# Altium PCB vga_ps2.PcbDoc
Units mil, origin at the board's own origin, x right, y up, seen from the top; angles counter-clockwise.
Board outline 1610 x 1725 mil, 2 copper layers (Top Layer, Bottom Layer); 104 components, 22 nets, 360 pads, 40 vias.
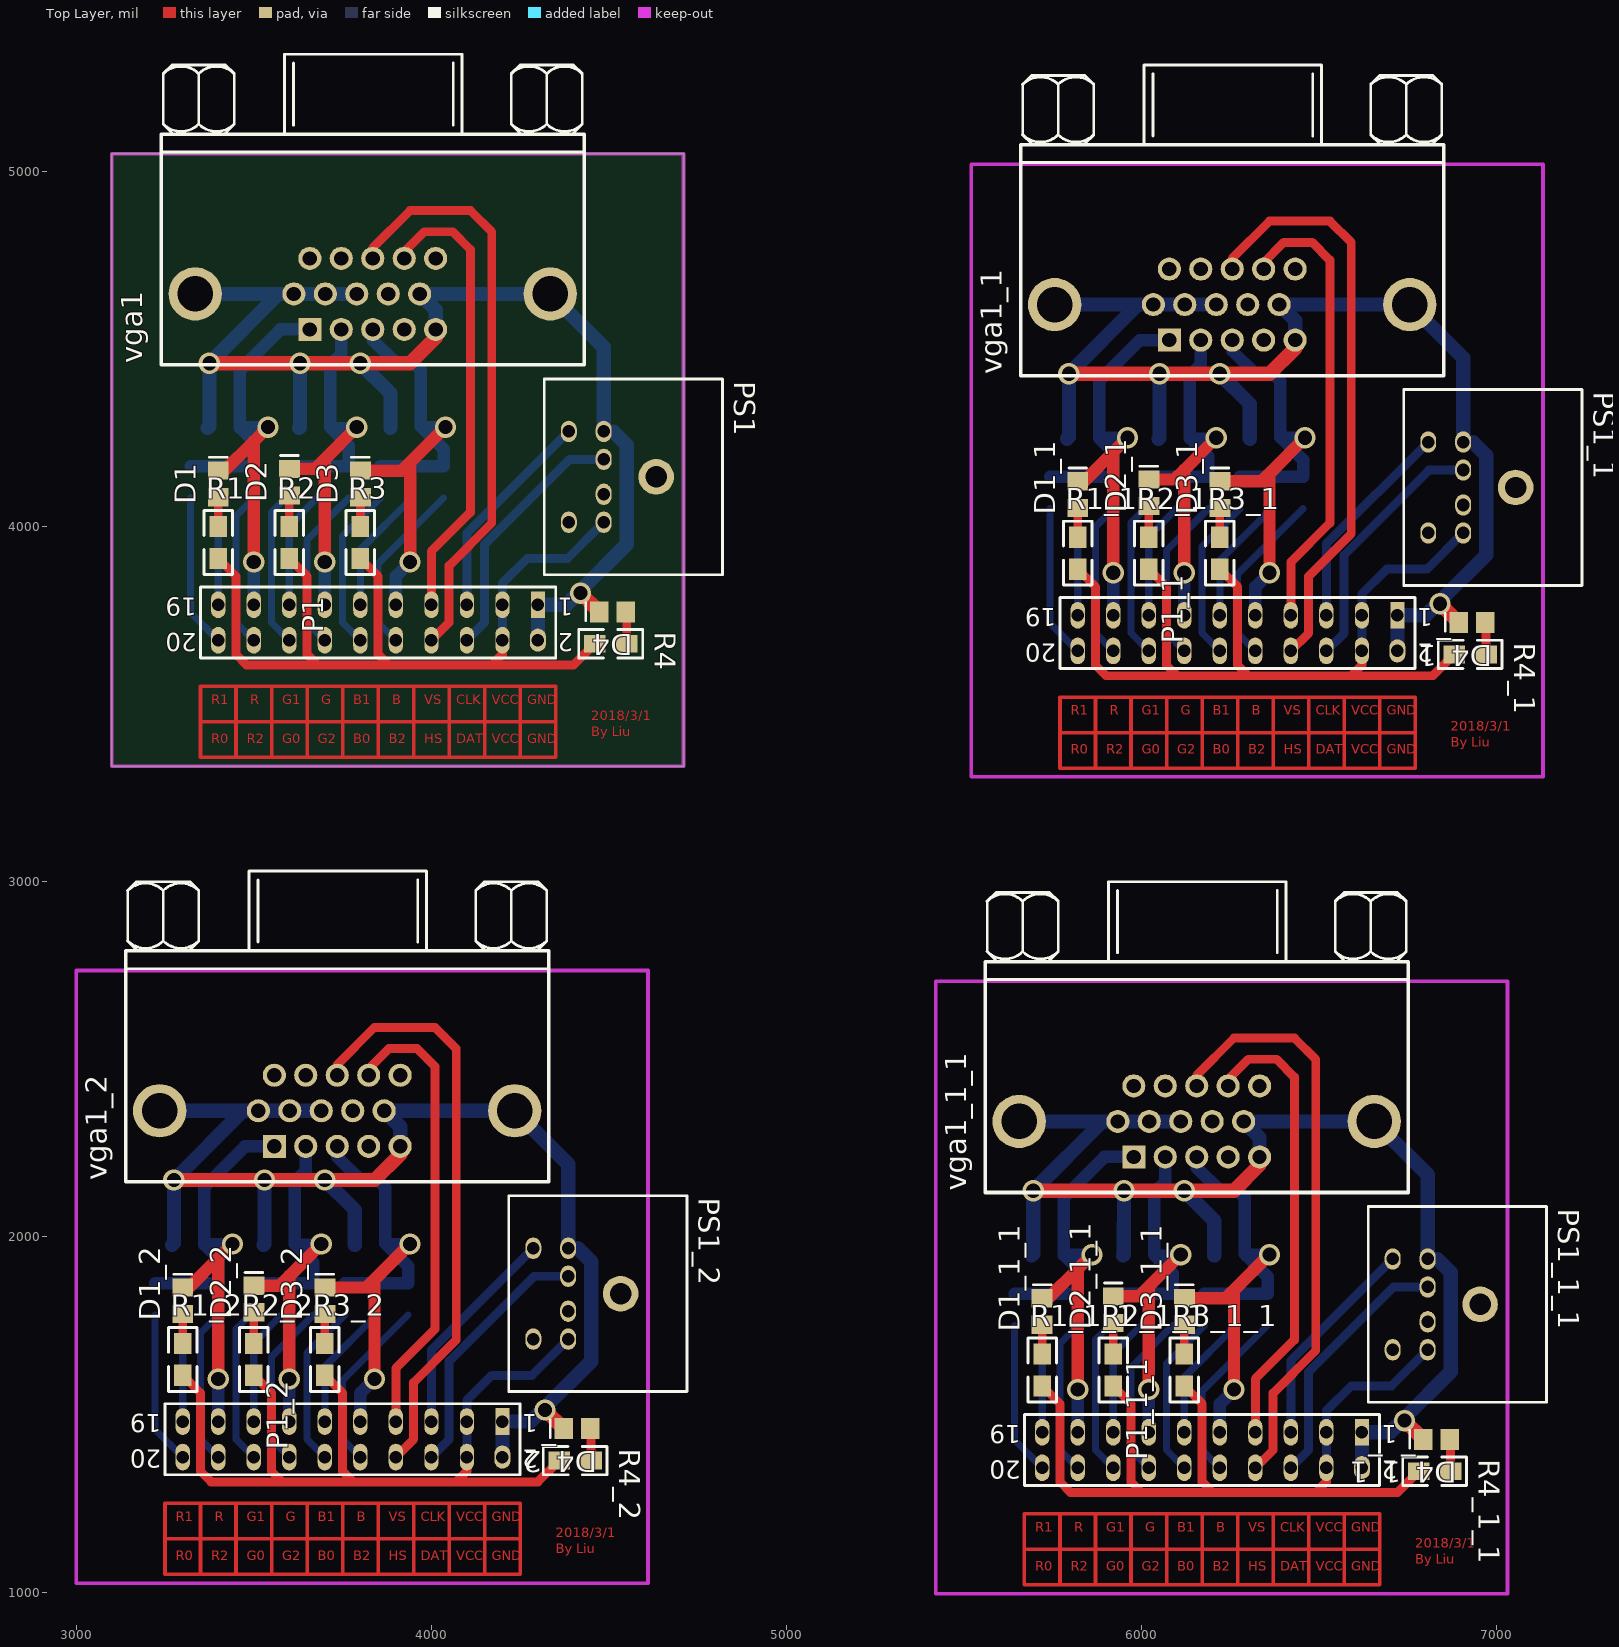
[diagram p0: Top Layer view]
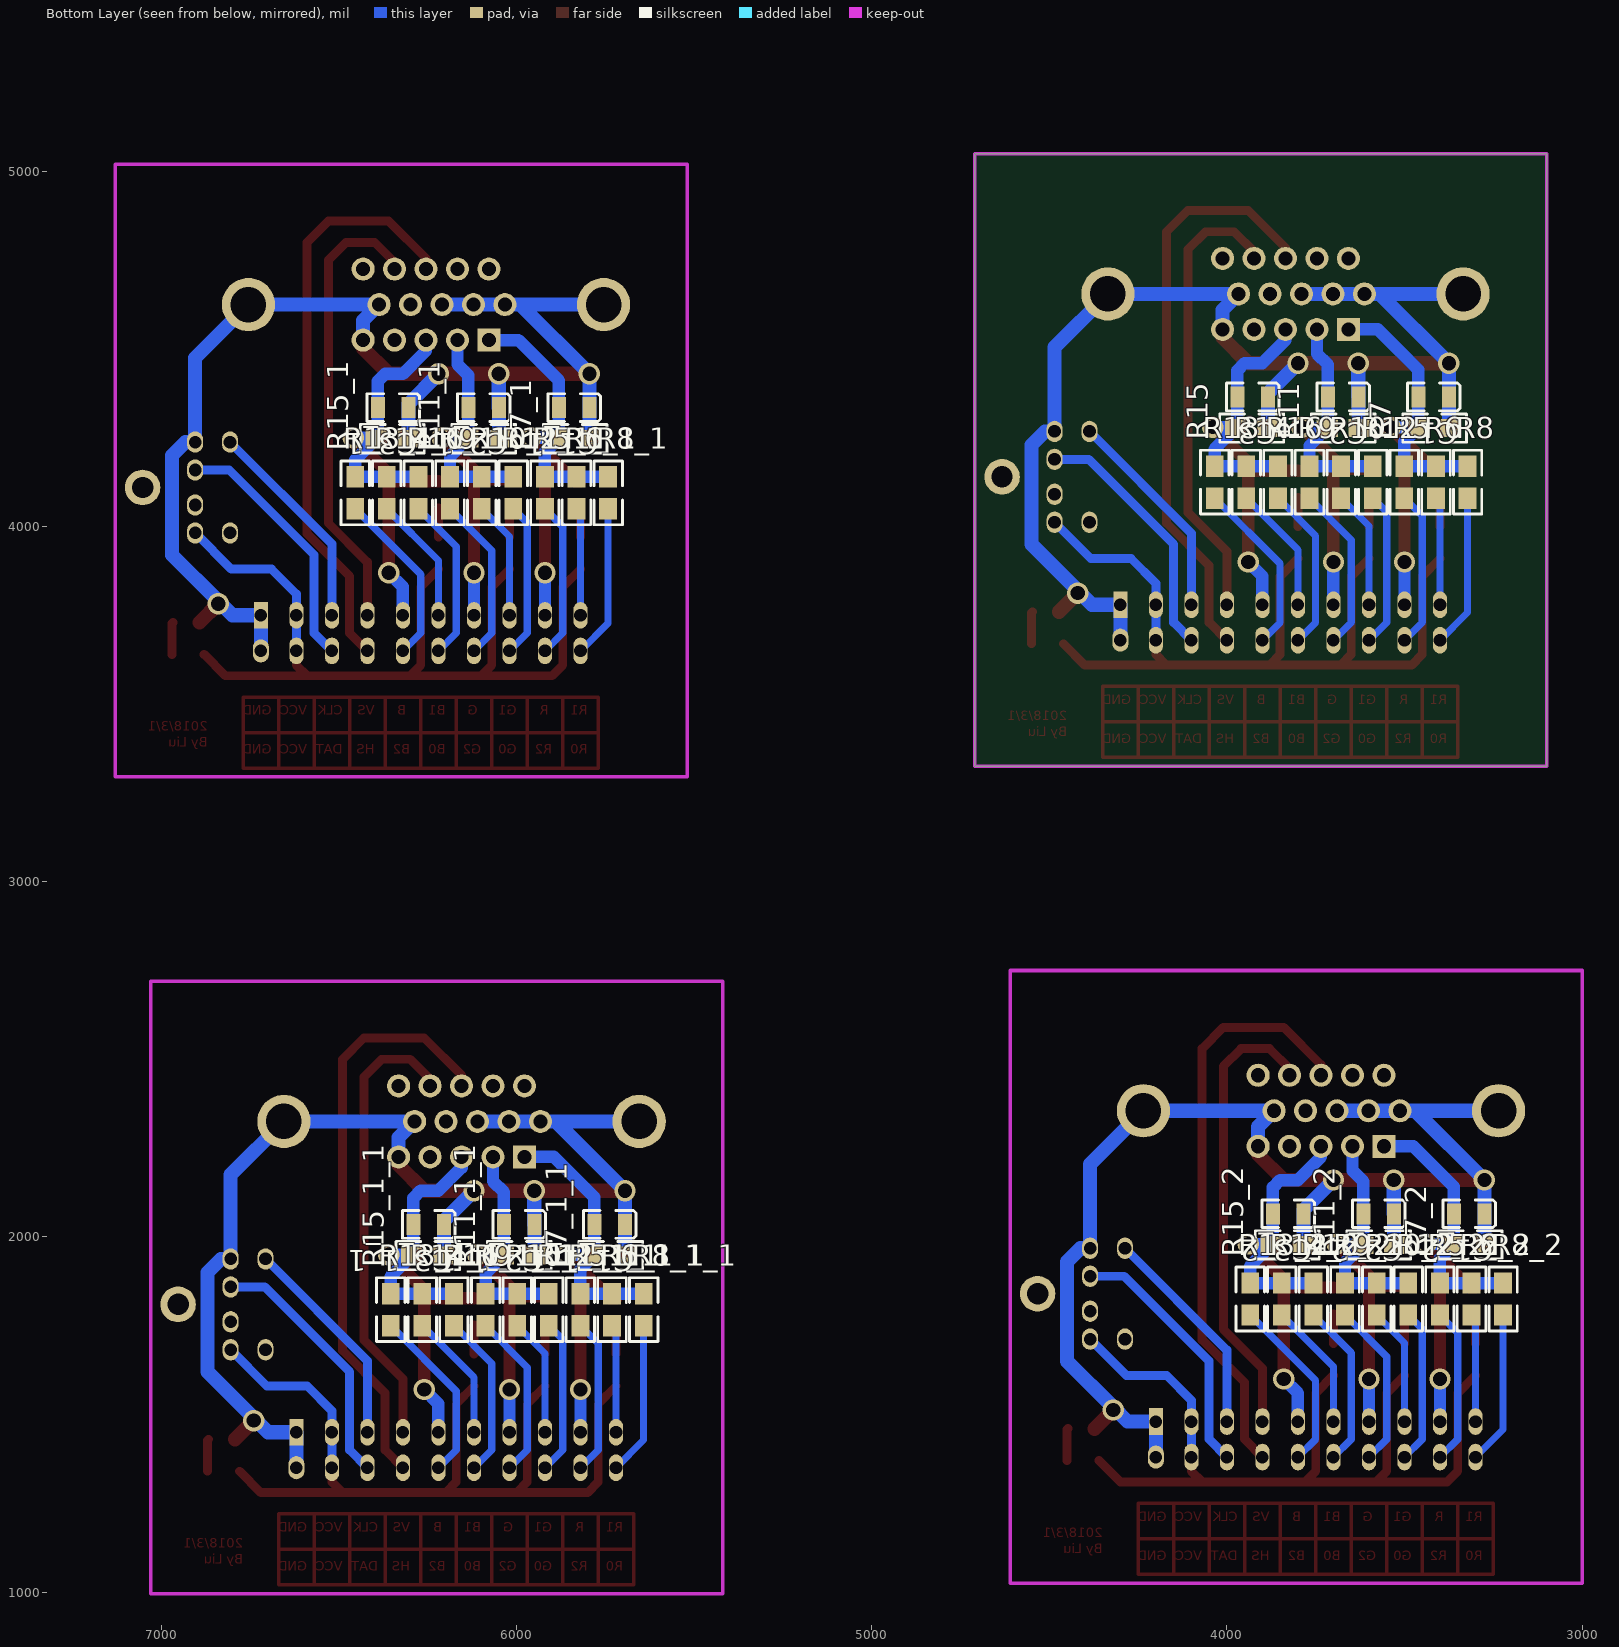
[diagram p1: Bottom Layer view, seen from below]

## Layer stack, top to bottom
Top Solder: solder mask 0.4, Solder Resist, Dk 3.5
Top Layer: signal copper 1.4
Dielectric 1: dielectric 12.6, FR-4, Dk 4.8
Bottom Layer: signal copper 1.4
Bottom Solder: solder mask 0.4, Solder Resist, Dk 3.5

## Board outline
3100,3325 3100,5050 4710,5050 4710,3325

## Design rules (kind name [scope] priority, off if disabled: settings)
Clearance [All] p1: gap=10
PolygonConnect [All] p1: connectstyle=Relief reliefconductorwidth=10 reliefentries=4 polygonreliefangle="90 Angle" airgapwidth=10
RoutingVias [All] p1: holewidth=28 width=50 viastyle="Through Hole" minholewidth=28 minwidth=50 maxholewidth=28 maxwidth=50
SolderMaskExpansion [All] p1: expansion=4
Width [All] p1: maxlimit=300 minlimit=10 preferedwidth=25
30 further rules are at their usual default settings.

## Classes and differential pairs
component class vga_ps2: C1 C2 C3 D1 D2 D3 D4 P1 PS1 R1 R2 R3 R4 R5 R6 R7 R8 R9 R10 R11 R12 R13 R14 R15 R16 vga1

## Components (designator, comment, footprint, x,y, rotation, side; value= is the part's Value field where it differs from the comment)
C1 "Cap" C-0805 3375,4365 r0 bottom locked
C1_1 "Cap" C-0805 5795,4335 r0 bottom locked (schematic designator C1)
C1_1_1 "Cap" C-0805 5695,2035 r0 bottom locked (schematic designator C1)
C1_2 "Cap" C-0805 3275,2065 r0 bottom locked (schematic designator C1)
C2 "Cap" C-0805 3629.8,4365 r0 bottom locked
C2_1 "Cap" C-0805 6049.8,4335 r0 bottom locked (schematic designator C2)
C2_1_1 "Cap" C-0805 5949.8,2035 r0 bottom locked (schematic designator C2)
C2_2 "Cap" C-0805 3529.8,2065 r0 bottom locked (schematic designator C2)
C3 "Cap" C-0805 3884.6,4365 r0 bottom locked
C3_1 "Cap" C-0805 6304.6,4335 r0 bottom locked (schematic designator C3)
C3_1_1 "Cap" C-0805 6204.6,2035 r0 bottom locked (schematic designator C3)
C3_2 "Cap" C-0805 3784.6,2065 r0 bottom locked (schematic designator C3)
D1 "LED1" LED_0805 3400,4120 r90 top
D1_1 "LED1" LED_0805 5820,4090 r90 top (schematic designator D1)
D1_1_1 "LED1" LED_0805 5720,1790 r90 top (schematic designator D1)
D1_2 "LED1" LED_0805 3300,1820 r90 top (schematic designator D1)
D2 "LED1" LED_0805 3600,4125 r90 top
D2_1 "LED1" LED_0805 6020,4095 r90 top (schematic designator D2)
D2_1_1 "LED1" LED_0805 5920,1795 r90 top (schematic designator D2)
D2_2 "LED1" LED_0805 3500,1825 r90 top (schematic designator D2)
D3 "LED1" LED_0805 3800,4120 r90 top
D3_1 "LED1" LED_0805 6220,4090 r90 top (schematic designator D3)
D3_1_1 "LED1" LED_0805 6120,1790 r90 top (schematic designator D3)
D3_2 "LED1" LED_0805 3700,1820 r90 top (schematic designator D3)
D4 "LED1" LED_0805 4510,3760 r180 top
D4_1 "LED1" LED_0805 6930,3730 r180 top (schematic designator D4)
D4_1_1 "LED1" LED_0805 6830,1430 r180 top (schematic designator D4)
D4_2 "LED1" LED_0805 4410,1460 r180 top (schematic designator D4)
P1 "MHDR2X10" HDR2X10 4300,3780 r180 top
P1_1 "MHDR2X10" HDR2X10 6720,3750 r180 top (schematic designator P1)
P1_1_1 "MHDR2X10" HDR2X10 6620,1450 r180 top (schematic designator P1)
P1_2 "MHDR2X10" HDR2X10 4200,1480 r180 top (schematic designator P1)
PS1 "MHDR2X3" PS2-6PIN 4820,4140 r270 top
PS1_1 "MHDR2X3" PS2-6PIN 7240,4110 r270 top (schematic designator PS1)
PS1_1_1 "MHDR2X3" PS2-6PIN 7140,1810 r270 top (schematic designator PS1)
PS1_2 "MHDR2X3" PS2-6PIN 4720,1840 r270 top (schematic designator PS1)
R1 "Res1" 0805 3400,3950 r90 top
R1_1 "Res1" 0805 5820,3920 r90 top (schematic designator R1)
R1_1_1 "Res1" 0805 5720,1620 r90 top (schematic designator R1)
R1_2 "Res1" 0805 3300,1650 r90 top (schematic designator R1)
R2 "Res1" 0805 3600,3950 r90 top
R2_1 "Res1" 0805 6020,3920 r90 top (schematic designator R2)
R2_1_1 "Res1" 0805 5920,1620 r90 top (schematic designator R2)
R2_2 "Res1" 0805 3500,1650 r90 top (schematic designator R2)
R3 "Res1" 0805 3800,3950 r90 top
R3_1 "Res1" 0805 6220,3920 r90 top (schematic designator R3)
R3_1_1 "Res1" 0805 6120,1620 r90 top (schematic designator R3)
R3_2 "Res1" 0805 3700,1650 r90 top (schematic designator R3)
R4 "Res1" 0805 4500,3670 r0 top
R4_1 "Res1" 0805 6920,3640 r0 top (schematic designator R4)
R4_1_1 "Res1" 0805 6820,1340 r0 top (schematic designator R4)
R4_2 "Res1" 0805 4400,1370 r0 top (schematic designator R4)
R5 "Res2" 0805 3500.33,4120 r90 bottom locked
R5_1 "Res2" 0805 5920.33,4090 r90 bottom locked (schematic designator R5)
R5_1_1 "Res2" 0805 5820.33,1790 r90 bottom locked (schematic designator R5)
R5_2 "Res2" 0805 3400.33,1820 r90 bottom locked (schematic designator R5)
R6 "Res2" 0805 3411.3,4120 r90 bottom locked
R6_1 "Res2" 0805 5831.3,4090 r90 bottom locked (schematic designator R6)
R6_1_1 "Res2" 0805 5731.3,1790 r90 bottom locked (schematic designator R6)
R6_2 "Res2" 0805 3311.3,1820 r90 bottom locked (schematic designator R6)
R7 "Res1" 0805 3410,4277.36 r0 bottom locked
R7_1 "Res1" 0805 5830,4247.36 r0 bottom locked (schematic designator R7)
R7_1_1 "Res1" 0805 5730,1947.36 r0 bottom locked (schematic designator R7)
R7_2 "Res1" 0805 3310,1977.36 r0 bottom locked (schematic designator R7)
R8 "Res2" 0805 3322.27,4120 r90 bottom locked
R8_1 "Res2" 0805 5742.27,4090 r90 bottom locked (schematic designator R8)
R8_1_1 "Res2" 0805 5642.27,1790 r90 bottom locked (schematic designator R8)
R8_2 "Res2" 0805 3222.27,1820 r90 bottom locked (schematic designator R8)
R9 "Res2" 0805 3767.42,4120 r90 bottom locked
R9_1 "Res2" 0805 6187.42,4090 r90 bottom locked (schematic designator R9)
R9_1_1 "Res2" 0805 6087.42,1790 r90 bottom locked (schematic designator R9)
R9_2 "Res2" 0805 3667.42,1820 r90 bottom locked (schematic designator R9)
R10 "Res2" 0805 3678.39,4120 r90 bottom locked
R10_1 "Res2" 0805 6098.39,4090 r90 bottom locked (schematic designator R10)
R10_1_1 "Res2" 0805 5998.39,1790 r90 bottom locked (schematic designator R10)
R10_2 "Res2" 0805 3578.39,1820 r90 bottom locked (schematic designator R10)
R11 "Res1" 0805 3667.5,4277.36 r0 bottom locked
R11_1 "Res1" 0805 6087.5,4247.36 r0 bottom locked (schematic designator R11)
R11_1_1 "Res1" 0805 5987.5,1947.36 r0 bottom locked (schematic designator R11)
R11_2 "Res1" 0805 3567.5,1977.36 r0 bottom locked (schematic designator R11)
R12 "Res2" 0805 3589.36,4120 r90 bottom locked
R12_1 "Res2" 0805 6009.36,4090 r90 bottom locked (schematic designator R12)
R12_1_1 "Res2" 0805 5909.36,1790 r90 bottom locked (schematic designator R12)
R12_2 "Res2" 0805 3489.36,1820 r90 bottom locked (schematic designator R12)
R13 "Res2" 0805 4034.51,4120 r90 bottom locked
R13_1 "Res2" 0805 6454.51,4090 r90 bottom locked (schematic designator R13)
R13_1_1 "Res2" 0805 6354.51,1790 r90 bottom locked (schematic designator R13)
R13_2 "Res2" 0805 3934.51,1820 r90 bottom locked (schematic designator R13)
R14 "Res2" 0805 3945.48,4120 r90 bottom locked
R14_1 "Res2" 0805 6365.48,4090 r90 bottom locked (schematic designator R14)
R14_1_1 "Res2" 0805 6265.48,1790 r90 bottom locked (schematic designator R14)
R14_2 "Res2" 0805 3845.48,1820 r90 bottom locked (schematic designator R14)
R15 "Res1" 0805 3925,4277.36 r0 bottom locked
R15_1 "Res1" 0805 6345,4247.36 r0 bottom locked (schematic designator R15)
R15_1_1 "Res1" 0805 6245,1947.36 r0 bottom locked (schematic designator R15)
R15_2 "Res1" 0805 3825,1977.36 r0 bottom locked (schematic designator R15)
R16 "Res2" 0805 3856.45,4120 r90 bottom locked
R16_1 "Res2" 0805 6276.45,4090 r90 bottom locked (schematic designator R16)
R16_1_1 "Res2" 0805 6176.45,1790 r90 bottom locked (schematic designator R16)
R16_2 "Res2" 0805 3756.45,1820 r90 bottom locked (schematic designator R16)
vga1 "D Connector 15" DB15-F 3835,4755 r90 top locked
vga1_1 "D Connector 15" DB15-F 6255,4725 r90 top locked (schematic designator vga1)
vga1_1_1 "D Connector 15" DB15-F 6155,2425 r90 top locked (schematic designator vga1)
vga1_2 "D Connector 15" DB15-F 3735,2455 r90 top locked (schematic designator vga1)

## Footprints (in the part's own frame and the unit in brackets; to place one, negate y for a bottom-side part, rotate by r counter-clockwise, add the part's x,y. Pads: shape width x height; smd on the part's side, far side on the other; paste and mask are expansions set on the pad)
0805 [mil]
  rect 60x50 smd: 1(-40,0) 2(50,0)
  silkscreen extent -85,-40 95,40, body extent -39,-24 39,29, height 26
C-0805 [mm]
  rect 1x1.5 smd: 1(0,0) 2(2.184,0)
  silkscreen extent -0.79,-0.99 2.96,0.99, body extent 0.02,-0.6 2.02,0.6, height 0.95
DB15-F [mil] "VGAĸ"
  rect 65x65 hole 40: 1(-200,177.16)
  round 65 hole 40: 2(-200,88.58) 3(-200,0) 4(-200,-88.58) 5(-200,-177.16) 6(-100,222.17) 7(-100,133.58) 8(-100,45) 9(-100,-43.58) 10(-100,-132.16) 11(0,177.16) 12(0,88.58) 13(0,0) 14(0,-88.58) 15(0,-177.16)
  round 150 hole 100: 16(-100,500) 17(-100,-500)
  silkscreen extent -300,-595 575,596
HDR2X10 [mil] "Connector; Header; 10x2 Position"
  rect 40x75 hole 35.43: 1(0,0)
  oval 45x65 hole 35.43: 2(0,100)
  oval 40x75 hole 35.43: 3(100,0) 4(100,100) 5(200,0) 6(200,100) 7(300,0) 8(300,100) 9(400,0) 10(400,100) 11(500,0) 12(500,100) 13(600,0) 14(600,100) 15(700,0) 16(700,100) 17(800,0) 18(800,100) 19(900,0) 20(900,100)
  silkscreen extent -50,-50 950,150
LED_0805 [mm] "贴片二极管"
  rect 1.3x1.5 smd: 1(-0.95,0) 2(0.95,0)
  silkscreen extent 1.91,-0.63 1.91,0.64
PS2-6PIN [mm] "PS2 Socket, 6 Pin, Through Hole"
  oval 1.524x1.143 hole 0.9: 1(-1.25,-8.5) 2(1.25,-8.5) 3(-3.25,-8.5) 4(3.25,-8.5) 5(-3.25,-11) 6(3.25,-11)
  round 2.54 hole 1.524: S(0,-4.75)
  silkscreen extent -7,-12.75 7,0

## Part data
C1 C1_1 C1_1_1 C1_2 C2 C2_1 C2_1_1 C2_2 C3 C3_1 C3_1_1 C3_2: "Capacitor"
D1 D1_1 D1_1_1 D1_2 D2 D2_1 D2_1_1 D2_2 D3 D3_1 D3_1_1 D3_2 D4 D4_1 D4_1_1 D4_2: "Typical RED GaAs LED"
P1 P1_1 P1_1_1 P1_2: "Header, 10-Pin, Dual row"
PS1 PS1_1 PS1_1_1 PS1_2: "Header, 3-Pin, Dual row"
R1 R1_1 R1_1_1 R1_2 R2 R2_1 R2_1_1 R2_2 R3 R3_1 R3_1_1 R3_2 R4 R4_1 R4_1_1 R4_2 R5 R5_1 R5_1_1 R5_2 R6 R6_1 R6_1_1 R6_2 R7 R7_1 R7_1_1 R7_2 R8 R8_1 R8_1_1 R8_2 R9 R9_1 R9_1_1 R9_2 R10 R10_1 R10_1_1 R10_2 R11 R11_1 R11_1_1 R11_2 R12 R12_1 R12_1_1 R12_2 R13 R13_1 R13_1_1 R13_2 R14 R14_1 R14_1_1 R14_2 R15 R15_1 R15_1_1 R15_2 R16 R16_1 R16_1_1 R16_2: "Resistor"
vga1 vga1_1 vga1_1_1 vga1_2: "VGA"

## Via types
v1: diameter 60, hole 40, Top Layer to Bottom Layer, 40 vias

## Nets (pads, with @x,y where several pads share a name; then routed paths per layer and width w, separated by ;. In a path a pad name is that pad's centre, name@x,y a point inside that pad or via, vN(x,y) a via of type N, cw(c..) or ccw(c..) an arc to the next point about the centre after c; other vN are vias at no path point)
B: C3.2 D3.2 P1.9 R13.2 R14.2 R15.2 R16.2 vga1.3 | length 1450
  Top Layer w35: D3.2 3917.4,4157.4 3940,4180 ; v1(3940,3900) 3940,4180 ; v1(4040,4280) 3940,4180
  Bottom Layer w35: vga1.3 3835,4525 3900,4460 3950,4460 3970.6,4439.4 C3.2 3970.6,4281.76 R15.2@3972.36,4280 ; R16.2 R14.2 R13.2 4034.51,4217.85 R15.2 R15.2@3972.36,4280 ; P1.9 3900,3860 v1(3940,3900) ; v1(4040,4280) R15.2@3972.36,4280
G: C2.2 D2.2 P1.13 R9.2 R10.2 R11.2 R12.2 vga1.2 | length 1319.4
  Top Layer w35: D2.2 3672.4,4162.4 3700,4190 ; v1(3700,3900) 3700,4190 ; v1(3790,4280) 3700,4190
  Bottom Layer w35: R12.2 R9.2 3767.42,4227.44 R11.2 ; P1.13 v1(3700,3900) ; vga1.2 3746.42,4486.42 3715.8,4455.8 C2.2 3715.8,4279.06 R11.2 ; v1(3790,4280) 3787.36,4277.36 R11.2
GND: C1.1 C2.1 C3.1 D4.2 P1.1 P1.2 PS1.3 R7.1 R11.1 R15.1 vga1.5 vga1.6 vga1.7 vga1.8 vga1.10 vga1.16 vga1.17 | length 3805.3
  Top Layer w40: v1(3375,4460) v1(3630,4460) v1(3800,4460) 3940,4460 4012.16,4532.16 vga1.5 ; v1(4420,3812.6) D4.2
  Bottom Layer w40: vga1.16 vga1.6 vga1.7 vga1.8 ; R7.1 3375,4282.36 C1.1 v1(3375,4460) 3570,4655 ; R11.1 3629.8,4279.66 C2.1 3630,4365.2 v1(3630,4460) ; v1(3800,4460) 3884.6,4375.4 C3.1 3884.6,4277.76 R15.1 ; vga1.5 4012.16,4610 vga1.10 vga1.17 4485.35,4504.65 PS1.3 4512.05,4267.95 4550,4230 4550,3950 v1@4420,3820 ; P1.2 P1.1 4380,3780 v1@4420,3820 ; v1(4420,3812.6) v1@4420,3820
NetD1_1: D1.1 R1.2 | length 82.6
  Top Layer w25: R1.2 D1.1
NetD2_1: D2.1 R2.2 | length 87.6
  Top Layer w25: R2.2 D2.1
NetD3_1: D3.1 R3.2 | length 82.6
  Top Layer w25: R3.2 D3.1
NetD4_1: D4.1 R4.2 | length 91.1
  Top Layer w25: D4.1 4550,3757.4 R4.2
PS2_CLK: P1.5 PS1.5 | length 606.8
  Bottom Layer w25: P1.5 4100,3981.02 PS1.5
PS2_DATA: P1.6 PS1.1 | length 725.2
  Bottom Layer w25: P1.6 4150,3730 4150,3950 4389.21,4189.21 PS1.1
R: C1.2 D1.2 P1.17 R5.2 R6.2 R7.2 R8.2 vga1.1 | length 1439.9
  Top Layer w35: D1.2 3417.4,4157.4 3500,4240 ; v1(3500,3900) 3500,4240 ; v1(3540,4280) 3500,4240
  Bottom Layer w35: R8.2 R6.2 R5.2 3500.33,4239.03 R7.2@3461,4278.36 ; P1.17 v1(3500,3900) ; v1(3540,4280) 3462.64,4280 R7.2@3461,4278.36 ; vga1.1 3575,4555 3461,4441 C1.2 R7.2@3461,4278.36
VCC: P1.3 P1.4 PS1.4 R1.1 R2.1 R3.1 R4.1 | length 2603.3
  Top Layer w25: R1.1 3450,3860 3450,3640 3480,3610 3680,3610 ; R2.1 3650,3860 3650,3640 3680,3610 ; R3.1 3850,3860 3850,3640 3880,3610 ; P1.4 4200,3640 4170,3610 ; R4.1 4400,3610 4170,3610 ; 3680,3610 3880,3610 ; 3880,3610 4170,3610
  Bottom Layer w25: P1.4 P1.3 4200,3840 4270,3910 4383.31,3910 PS1.4
VGA_B0: P1.12 R16.1 | length 464.8
  Bottom Layer w20: P1.12 3750,3730 3750,3973.55 R16.1
VGA_B1: P1.11 R14.1 | length 360.3
  Bottom Layer w20: P1.11 3800,3934.52 R14.1
VGA_B2: P1.10 R13.1 | length 497.1
  Bottom Layer w20: P1.10 3850,3730 3850,3895.49 R13.1
VGA_G0: P1.16 R12.1 | length 437
  Bottom Layer w20: R12.1 3550,4040.64 3550,3730 P1.16
VGA_G1: P1.15 R10.1 | length 332.5
  Bottom Layer w20: P1.15 3600,4001.61 R10.1
VGA_G2: P1.14 R9.1 | length 469.3
  Bottom Layer w20: P1.14 3650,3730 3650,3962.58 R9.1
VGA_HS: P1.8 vga1.13 | length 1653.8
  Top Layer w25: vga1.13 3835,4785 3940,4890 4110,4890 4170,4830 4170,4010 4050,3890 4050,3730 P1.8
VGA_R0: P1.20 R8.1 | length 432.2
  Bottom Layer w20: R8.1 3322.27,3757.73 P1.20
VGA_R1: P1.19 R6.1 | length 304.7
  Bottom Layer w20: P1.19 3400,4068.7 R6.1
VGA_R2: P1.18 R5.1 | length 441.6
  Bottom Layer w20: P1.18 3450,3730 3450,4029.67 R5.1
VGA_VS: P1.7 vga1.14 | length 1294.6
  Top Layer w25: vga1.14 3923.58,4773.58 3980,4830 4060,4830 4110,4780 4110,4040 4000,3930 P1.7
pads on no net: C1_1.1 C1_1.2 C1_1_1.1 C1_1_1.2 C1_2.1 C1_2.2 C2_1.1 C2_1.2 C2_1_1.1 C2_1_1.2 C2_2.1 C2_2.2 C3_1.1 C3_1.2 C3_1_1.1 C3_1_1.2 C3_2.1 C3_2.2 D1_1.1 D1_1.2 D1_1_1.1 D1_1_1.2 D1_2.1 D1_2.2 D2_1.1 D2_1.2 D2_1_1.1 D2_1_1.2 D2_2.1 D2_2.2 D3_1.1 D3_1.2 D3_1_1.1 D3_1_1.2 D3_2.1 D3_2.2 D4_1.1 D4_1.2 D4_1_1.1 D4_1_1.2 D4_2.1 D4_2.2 P1_1.1 P1_1.2 P1_1.3 P1_1.4 P1_1.5 P1_1.6 P1_1.7 P1_1.8 P1_1.9 P1_1.10 P1_1.11 P1_1.12 P1_1.13 P1_1.14 P1_1.15 P1_1.16 P1_1.17 P1_1.18 P1_1.19 P1_1.20 P1_1_1.1 P1_1_1.2 P1_1_1.3 P1_1_1.4 P1_1_1.5 P1_1_1.6 P1_1_1.7 P1_1_1.8 P1_1_1.9 P1_1_1.10 P1_1_1.11 P1_1_1.12 P1_1_1.13 P1_1_1.14 P1_1_1.15 P1_1_1.16 P1_1_1.17 P1_1_1.18 P1_1_1.19 P1_1_1.20 P1_2.1 P1_2.2 P1_2.3 P1_2.4 P1_2.5 P1_2.6 P1_2.7 P1_2.8 P1_2.9 P1_2.10 P1_2.11 P1_2.12 P1_2.13 P1_2.14 P1_2.15 P1_2.16 P1_2.17 P1_2.18 P1_2.19 P1_2.20 PS1.2 PS1.6 PS1.S PS1_1.1 PS1_1.2 PS1_1.3 PS1_1.4 PS1_1.5 PS1_1.6 PS1_1.S PS1_1_1.1 PS1_1_1.2 PS1_1_1.3 PS1_1_1.4 PS1_1_1.5 PS1_1_1.6 PS1_1_1.S PS1_2.1 PS1_2.2 PS1_2.3 PS1_2.4 PS1_2.5 PS1_2.6 PS1_2.S R1_1.1 R1_1.2 R1_1_1.1 R1_1_1.2 R1_2.1 R1_2.2 R2_1.1 R2_1.2 R2_1_1.1 R2_1_1.2 R2_2.1 R2_2.2 R3_1.1 R3_1.2 R3_1_1.1 R3_1_1.2 R3_2.1 R3_2.2 R4_1.1 R4_1.2 R4_1_1.1 R4_1_1.2 R4_2.1 R4_2.2 R5_1.1 R5_1.2 R5_1_1.1 R5_1_1.2 R5_2.1 R5_2.2 R6_1.1 R6_1.2 R6_1_1.1 R6_1_1.2 R6_2.1 R6_2.2 R7_1.1 R7_1.2 R7_1_1.1 R7_1_1.2 R7_2.1 R7_2.2 R8_1.1 R8_1.2 R8_1_1.1 R8_1_1.2 R8_2.1 R8_2.2 R9_1.1 R9_1.2 R9_1_1.1 R9_1_1.2 R9_2.1 R9_2.2 R10_1.1 R10_1.2 R10_1_1.1 R10_1_1.2 R10_2.1 R10_2.2 R11_1.1 R11_1.2 R11_1_1.1 R11_1_1.2 R11_2.1 R11_2.2 R12_1.1 R12_1.2 R12_1_1.1 R12_1_1.2 R12_2.1 R12_2.2 R13_1.1 R13_1.2 R13_1_1.1 R13_1_1.2 R13_2.1 R13_2.2 R14_1.1 R14_1.2 R14_1_1.1 R14_1_1.2 R14_2.1 R14_2.2 R15_1.1 R15_1.2 R15_1_1.1 R15_1_1.2 R15_2.1 R15_2.2 R16_1.1 R16_1.2 R16_1_1.1 R16_1_1.2 R16_2.1 R16_2.2 vga1.4 vga1.9 vga1.11 vga1.12 vga1.15 vga1_1.1 vga1_1.2 vga1_1.3 vga1_1.4 vga1_1.5 vga1_1.6 vga1_1.7 vga1_1.8 vga1_1.9 vga1_1.10 vga1_1.11 vga1_1.12 vga1_1.13 vga1_1.14 vga1_1.15 vga1_1.16 vga1_1.17 vga1_1_1.1 vga1_1_1.2 vga1_1_1.3 vga1_1_1.4 vga1_1_1.5 vga1_1_1.6 vga1_1_1.7 vga1_1_1.8 vga1_1_1.9 vga1_1_1.10 vga1_1_1.11 vga1_1_1.12 vga1_1_1.13 vga1_1_1.14 vga1_1_1.15 vga1_1_1.16 vga1_1_1.17 vga1_2.1 vga1_2.2 vga1_2.3 vga1_2.4 vga1_2.5 vga1_2.6 vga1_2.7 vga1_2.8 vga1_2.9 vga1_2.10 vga1_2.11 vga1_2.12 vga1_2.13 vga1_2.14 vga1_2.15 vga1_2.16 vga1_2.17
copper on no net: | length 77744.6
  Top Layer w10: 3250,1150 4250,1150 ; 3350,1050 3350,1250 ; 3350,3450 4350,3450 ; 3450,1050 3450,1250 ; 3450,3350 3450,3550 ; 3550,1050 3550,1250 ; 3550,3350 3550,3550 ; 3650,1050 3650,1250 ; 3650,3350 3650,3550 ; 3750,1050 3750,1250 ; 3750,3350 3750,3550 ; 3850,1050 3850,1250 ; 3850,3350 3850,3550 ; 3950,1050 3950,1250 ; 3950,3350 3950,3550 ; 4050,1050 4050,1250 ; 4050,3350 4050,3550 ; 4150,1050 4150,1250 ; 4150,3350 4150,3550 ; 4250,3350 4250,3550 ; 5670,1120 6670,1120 ; 5770,1020 5770,1220 ; 5770,3420 6770,3420 ; 5870,1020 5870,1220 ; 5870,3320 5870,3520 ; 5970,1020 5970,1220 ; 5970,3320 5970,3520 ; 6070,1020 6070,1220 ; 6070,3320 6070,3520 ; 6170,1020 6170,1220 ; 6170,3320 6170,3520 ; 6270,1020 6270,1220 ; 6270,3320 6270,3520 ; 6370,1020 6370,1220 ; 6370,3320 6370,3520 ; 6470,1020 6470,1220 ; 6470,3320 6470,3520 ; 6570,1020 6570,1220 ; 6570,3320 6570,3520 ; 6670,3320 6670,3520 ; 3250,1050 4250,1050 4250,1250 3250,1250 3250,1050 ; 3350,3350 3350,3550 4350,3550 4350,3350 3350,3350 ; 5670,1020 5670,1220 6670,1220 6670,1020 5670,1020 ; 5770,3320 6770,3320 6770,3520 5770,3520 5770,3320
  Top Layer w25: 3300,1610 3350,1560 3350,1340 3380,1310 3580,1310 ; 3300,1700 3300,1782.6 ; 3500,1610 3550,1560 3550,1340 3580,1310 ; 3500,1700 3500,1787.6 ; 3700,1610 3750,1560 3750,1340 3780,1310 ; 3700,1700 3700,1782.6 ; 3735,2455 3735,2485 3840,2590 4010,2590 4070,2530 4070,1710 3950,1590 3950,1430 3900,1380 ; 3823.58,2455 3823.58,2473.58 3880,2530 3960,2530 4010,2480 4010,1740 3900,1630 3900,1480 ; 4100,1380 4100,1340 4070,1310 ; 4360,1370 4300,1310 4070,1310 ; 4447.4,1460 4450,1457.4 4450,1370 ; 5720,1580 5770,1530 5770,1310 5800,1280 6000,1280 ; 5720,1670 5720,1752.6 ; 5820,3880 5870,3830 5870,3610 5900,3580 6100,3580 ; 5820,3970 5820,4052.6 ; 5920,1580 5970,1530 5970,1310 6000,1280 ; 5920,1670 5920,1757.6 ; 6020,3880 6070,3830 6070,3610 6100,3580 ; 6020,3970 6020,4057.6 ; 6120,1580 6170,1530 6170,1310 6200,1280 ; 6120,1670 6120,1752.6 ; 6155,2425 6155,2455 6260,2560 6430,2560 6490,2500 6490,1680 6370,1560 6370,1400 6320,1350 ; 6220,3880 6270,3830 6270,3610 6300,3580 ; 6220,3970 6220,4052.6 ; 6243.58,2425 6243.58,2443.58 6300,2500 6380,2500 6430,2450 6430,1710 6320,1600 6320,1450 ; 6255,4725 6255,4755 6360,4860 6530,4860 6590,4800 6590,3980 6470,3860 6470,3700 6420,3650 ; 6343.58,4725 6343.58,4743.58 6400,4800 6480,4800 6530,4750 6530,4010 6420,3900 6420,3750 ; 6520,1350 6520,1310 6490,1280 ; 6620,3650 6620,3610 6590,3580 ; 6780,1340 6720,1280 6490,1280 ; 6867.4,1430 6870,1427.4 6870,1340 ; 6880,3640 6820,3580 6590,3580 ; 6967.4,3730 6970,3727.4 6970,3640 ; 3580,1310 3780,1310 ; 3780,1310 4070,1310 ; 6000,1280 6200,1280 ; 6100,3580 6300,3580 ; 6200,1280 6490,1280 ; 6300,3580 6590,3580
  Top Layer w35: 3300,1857.4 3317.4,1857.4 3400,1940 ; v1(3400,1600) 3400,1940 ; v1(3440,1980) 3400,1940 ; 3500,1862.4 3572.4,1862.4 3600,1890 ; v1(3600,1600) 3600,1890 ; v1(3690,1980) 3600,1890 ; 3700,1857.4 3817.4,1857.4 3840,1880 ; v1(3840,1600) 3840,1880 ; v1(3940,1980) 3840,1880 ; 5720,1827.4 5737.4,1827.4 5820,1910 ; v1(5820,1570) 5820,1910 ; 5820,4127.4 5837.4,4127.4 5920,4210 ; v1(5860,1950) 5820,1910 ; 5920,1832.4 5992.4,1832.4 6020,1860 ; v1(5920,3870) 5920,4210 ; v1(5960,4250) 5920,4210 ; v1(6020,1570) 6020,1860 ; 6020,4132.4 6092.4,4132.4 6120,4160 ; v1(6110,1950) 6020,1860 ; 6120,1827.4 6237.4,1827.4 6260,1850 ; v1(6120,3870) 6120,4160 ; v1(6210,4250) 6120,4160 ; 6220,4127.4 6337.4,4127.4 6360,4150 ; v1(6260,1570) 6260,1850 ; v1(6360,1950) 6260,1850 ; v1(6360,3870) 6360,4150 ; v1(6460,4250) 6360,4150
  Top Layer w40: v1(3275,2160) v1(3530,2160) v1(3700,2160) 3840,2160 3912.16,2232.16 3912.16,2255 ; v1(4320,1512.6) 4372.6,1460 ; v1(5695,2130) v1(5950,2130) v1(6120,2130) 6260,2130 6332.16,2202.16 6332.16,2225 ; v1(5795,4430) v1(6050,4430) v1(6220,4430) 6360,4430 6432.16,4502.16 6432.16,4525 ; v1(6740,1482.6) 6792.6,1430 ; v1(6840,3782.6) 6892.6,3730
  Bottom Layer w20: 3222.27,1780 3222.27,1457.73 3300,1380 ; 3300,1480 3300,1768.7 3311.3,1780 ; 3400,1380 3350,1430 3350,1729.67 3400.33,1780 ; 3489.36,1780 3450,1740.64 3450,1430 3500,1380 ; 3500,1480 3500,1701.61 3578.39,1780 ; 3600,1380 3550,1430 3550,1662.58 3667.42,1780 ; 3700,1380 3650,1430 3650,1673.55 3756.45,1780 ; 3700,1480 3700,1634.52 3845.48,1780 ; 3800,1380 3750,1430 3750,1595.49 3934.51,1780 ; 5642.27,1750 5642.27,1427.73 5720,1350 ; 5720,1450 5720,1738.7 5731.3,1750 ; 5742.27,4050 5742.27,3727.73 5820,3650 ; 5820,1350 5770,1400 5770,1699.67 5820.33,1750 ; 5820,3750 5820,4038.7 5831.3,4050 ; 5909.36,1750 5870,1710.64 5870,1400 5920,1350 ; 5920,1450 5920,1671.61 5998.39,1750 ; 5920,3650 5870,3700 5870,3999.67 5920.33,4050 ; 6009.36,4050 5970,4010.64 5970,3700 6020,3650 ; 6020,1350 5970,1400 5970,1632.58 6087.42,1750 ; 6020,3750 6020,3971.61 6098.39,4050 ; 6120,1350 6070,1400 6070,1643.55 6176.45,1750 ; 6120,1450 6120,1604.52 6265.48,1750 ; 6120,3650 6070,3700 6070,3932.58 6187.42,4050 ; 6220,1350 6170,1400 6170,1565.49 6354.51,1750 ; 6220,3650 6170,3700 6170,3943.55 6276.45,4050 ; 6220,3750 6220,3904.52 6365.48,4050 ; 6320,3650 6270,3700 6270,3865.49 6454.51,4050
  Bottom Layer w25: 4000,1380 4050,1430 4050,1650 4289.21,1889.21 4385.35,1889.21 ; 4000,1480 4000,1681.02 4286.93,1967.95 ; 4100,1380 4100,1480 4100,1540 4170,1610 4283.31,1610 4385.35,1712.05 ; 6420,1350 6470,1400 6470,1620 6709.21,1859.21 6805.35,1859.21 ; 6420,1450 6420,1651.02 6706.93,1937.95 ; 6520,1350 6520,1450 6520,1510 6590,1580 6703.31,1580 6805.35,1682.05 ; 6520,3650 6570,3700 6570,3920 6809.21,4159.21 6905.35,4159.21 ; 6520,3750 6520,3951.02 6806.93,4237.95 ; 6620,3650 6620,3750 6620,3810 6690,3880 6803.31,3880 6905.35,3982.05
  Bottom Layer w35: 3222.27,1870 3311.3,1870 3400.33,1870 3400.33,1939.03 3361,1978.36 ; 3400,1480 v1(3400,1600) ; v1(3440,1980) 3362.64,1980 3361,1978.36 ; 3489.36,1870 3667.42,1870 3667.42,1927.44 3617.5,1977.36 ; 3557.84,2255 3475,2255 3361,2141 3361,2065 3361,1978.36 ; 3600,1480 v1(3600,1600) ; 3646.42,2255 3646.42,2186.42 3615.8,2155.8 3615.8,2065 3615.8,1979.06 3617.5,1977.36 ; v1(3690,1980) 3687.36,1977.36 3617.5,1977.36 ; 3735,2255 3735,2225 3800,2160 3850,2160 3870.6,2139.4 3870.6,2065 3870.6,1981.76 3872.36,1980 ; 3756.45,1870 3845.48,1870 3934.51,1870 3934.51,1917.85 3875,1977.36 3872.36,1980 ; 3800,1480 3800,1560 v1(3840,1600) ; v1(3940,1980) 3872.36,1980 ; 5642.27,1840 5731.3,1840 5820.33,1840 5820.33,1909.03 5781,1948.36 ; 5742.27,4140 5831.3,4140 5920.33,4140 5920.33,4209.03 5881,4248.36 ; 5820,1450 v1(5820,1570) ; v1(5860,1950) 5782.64,1950 5781,1948.36 ; 5909.36,1840 6087.42,1840 6087.42,1897.44 6037.5,1947.36 ; 5920,3750 v1(5920,3870) ; v1(5960,4250) 5882.64,4250 5881,4248.36 ; 5977.84,2225 5895,2225 5781,2111 5781,2035 5781,1948.36 ; 6009.36,4140 6187.42,4140 6187.42,4197.44 6137.5,4247.36 ; 6020,1450 v1(6020,1570) ; 6066.42,2225 6066.42,2156.42 6035.8,2125.8 6035.8,2035 6035.8,1949.06 6037.5,1947.36 ; 6077.84,4525 5995,4525 5881,4411 5881,4335 5881,4248.36 ; v1(6110,1950) 6107.36,1947.36 6037.5,1947.36 ; 6120,3750 v1(6120,3870) ; 6155,2225 6155,2195 6220,2130 6270,2130 6290.6,2109.4 6290.6,2035 6290.6,1951.76 6292.36,1950 ; 6166.42,4525 6166.42,4456.42 6135.8,4425.8 6135.8,4335 6135.8,4249.06 6137.5,4247.36 ; 6176.45,1840 6265.48,1840 6354.51,1840 6354.51,1887.85 6295,1947.36 6292.36,1950 ; v1(6210,4250) 6207.36,4247.36 6137.5,4247.36 ; 6220,1450 6220,1530 v1(6260,1570) ; 6255,4525 6255,4495 6320,4430 6370,4430 6390.6,4409.4 6390.6,4335 6390.6,4251.76 6392.36,4250 ; 6276.45,4140 6365.48,4140 6454.51,4140 6454.51,4187.85 6395,4247.36 6392.36,4250 ; 6320,3750 6320,3830 v1(6360,3870) ; v1(6360,1950) 6292.36,1950 ; v1(6460,4250) 6392.36,4250
  Bottom Layer w40: 3235,2355 3512.83,2355 3601.42,2355 3690,2355 ; 3270,1977.36 3275,1982.36 3275,2065 v1(3275,2160) 3470,2355 ; 3527.5,1977.36 3529.8,1979.66 3529.8,2065 3530,2065.2 v1(3530,2160) ; v1(3700,2160) 3784.6,2075.4 3784.6,2065 3784.6,1977.76 3785,1977.36 ; 3912.16,2255 3912.16,2310 3867.16,2355 4235,2355 4385.35,2204.65 4385.35,1967.95 4412.05,1967.95 4450,1930 4450,1650 v1@4320,1520 ; 4200,1380 4200,1480 4280,1480 v1@4320,1520 ; v1(4320,1512.6) v1@4320,1520 ; 5655,2325 5932.83,2325 6021.42,2325 6110,2325 ; 5690,1947.36 5695,1952.36 5695,2035 v1(5695,2130) 5890,2325 ; 5755,4625 6032.83,4625 6121.42,4625 6210,4625 ; 5790,4247.36 5795,4252.36 5795,4335 v1(5795,4430) 5990,4625 ; 5947.5,1947.36 5949.8,1949.66 5949.8,2035 5950,2035.2 v1(5950,2130) ; 6047.5,4247.36 6049.8,4249.66 6049.8,4335 6050,4335.2 v1(6050,4430) ; v1(6120,2130) 6204.6,2045.4 6204.6,2035 6204.6,1947.76 6205,1947.36 ; v1(6220,4430) 6304.6,4345.4 6304.6,4335 6304.6,4247.76 6305,4247.36 ; 6332.16,2225 6332.16,2280 6287.16,2325 6655,2325 6805.35,2174.65 6805.35,1937.95 6832.05,1937.95 6870,1900 6870,1620 v1@6740,1490 ; 6432.16,4525 6432.16,4580 6387.16,4625 6755,4625 6905.35,4474.65 6905.35,4237.95 6932.05,4237.95 6970,4200 6970,3920 v1@6840,3790 ; 6620,1350 6620,1450 6700,1450 v1@6740,1490 ; 6720,3650 6720,3750 6800,3750 v1@6840,3790 ; v1(6740,1482.6) v1@6740,1490 ; v1(6840,3782.6) v1@6840,3790

## Keep-outs
Keep-Out Layer:
  lines w10: 3000,1025 3000,2750 4610,2750 4610,1025 3000,1025 ; 3100,3325 4710,3325 4710,5050 3100,5050 3100,3325 ; 5420,995 7030,995 7030,2720 5420,2720 5420,995 ; 5520,3295 5520,5020 7130,5020 7130,3295 5520,3295

## Other copper
Top Layer:
  text "R1" at 3380,3490 h45
  text "R" at 3490,3490 h45
  text "G1" at 3580,3490 h45
  text "G" at 3690,3490 h45
  text "B1" at 3780,3490 h45
  text "B" at 3890,3490 h45
  text "VS" at 3980,3490 h45
  text "CLK" at 4070,3490 h45
  text "VCC" at 4170,3490 h45
  text "GND" at 4270,3490 h45
  text "R1" at 5800,3460 h45
  text "R" at 5910,3460 h45
  text "G1" at 6000,3460 h45
  text "G" at 6110,3460 h45
  text "B1" at 6200,3460 h45
  text "B" at 6310,3460 h45
  text "VS" at 6400,3460 h45
  text "CLK" at 6490,3460 h45
  text "VCC" at 6590,3460 h45
  text "GND" at 6690,3460 h45
  text "2018/3/1 / By Liu" at 4450,3400 h45
  text "R0" at 3380,3380 h45
  text "R2" at 3480,3380 h45
  text "G0" at 3580,3380 h45
  text "G2" at 3680,3380 h45
  text "B0" at 3780,3380 h45
  text "B2" at 3880,3380 h45
  text "HS" at 3980,3380 h45
  text "DAT" at 4070,3380 h45
  text "VCC" at 4170,3380 h45
  text "GND" at 4270,3380 h45
  text "2018/3/1 / By Liu" at 6870,3370 h45
  text "R0" at 5800,3350 h45
  text "R2" at 5900,3350 h45
  text "G0" at 6000,3350 h45
  text "G2" at 6100,3350 h45
  text "B0" at 6200,3350 h45
  text "B2" at 6300,3350 h45
  text "HS" at 6400,3350 h45
  text "DAT" at 6490,3350 h45
  text "VCC" at 6590,3350 h45
  text "GND" at 6690,3350 h45
  text "R1" at 3280,1190 h45
  text "R" at 3390,1190 h45
  text "G1" at 3480,1190 h45
  text "G" at 3590,1190 h45
  text "B1" at 3680,1190 h45
  text "B" at 3790,1190 h45
  text "VS" at 3880,1190 h45
  text "CLK" at 3970,1190 h45
  text "VCC" at 4070,1190 h45
  text "GND" at 4170,1190 h45
  text "R1" at 5700,1160 h45
  text "R" at 5810,1160 h45
  text "G1" at 5900,1160 h45
  text "G" at 6010,1160 h45
  text "B1" at 6100,1160 h45
  text "B" at 6210,1160 h45
  text "VS" at 6300,1160 h45
  text "CLK" at 6390,1160 h45
  text "VCC" at 6490,1160 h45
  text "GND" at 6590,1160 h45
  text "2018/3/1 / By Liu" at 4350,1100 h45
  text "R0" at 3280,1080 h45
  text "R2" at 3380,1080 h45
  text "G0" at 3480,1080 h45
  text "G2" at 3580,1080 h45
  text "B0" at 3680,1080 h45
  text "B2" at 3780,1080 h45
  text "HS" at 3880,1080 h45
  text "DAT" at 3970,1080 h45
  text "VCC" at 4070,1080 h45
  text "GND" at 4170,1080 h45
  text "2018/3/1 / By Liu" at 6770,1070 h45
  text "R0" at 5700,1050 h45
  text "R2" at 5800,1050 h45
  text "G0" at 5900,1050 h45
  text "G2" at 6000,1050 h45
  text "B0" at 6100,1050 h45
  text "B2" at 6200,1050 h45
  text "HS" at 6300,1050 h45
  text "DAT" at 6390,1050 h45
  text "VCC" at 6490,1050 h45
  text "GND" at 6590,1050 h45

## Text inside footprints (layer, text, board x,y; h text height)
P1: Top Overlay "2" at 4400,3700 h50 r180; Top Overlay "1" at 4400,3800 h50 r180; Top Overlay "19" at 3340,3800 h50 r180; Top Overlay "20" at 3340,3700 h50 r180
P1_1: Top Overlay "2" at 6820,3670 h50 r180; Top Overlay "1" at 6820,3770 h50 r180; Top Overlay "19" at 5760,3770 h50 r180; Top Overlay "20" at 5760,3670 h50 r180
P1_1_1: Top Overlay "2" at 6720,1370 h50 r180; Top Overlay "1" at 6720,1470 h50 r180; Top Overlay "19" at 5660,1470 h50 r180; Top Overlay "20" at 5660,1370 h50 r180
P1_2: Top Overlay "2" at 4300,1400 h50 r180; Top Overlay "1" at 4300,1500 h50 r180; Top Overlay "19" at 3240,1500 h50 r180; Top Overlay "20" at 3240,1400 h50 r180